# KiCad board demo_matrix2.kicad_pcb (continued)
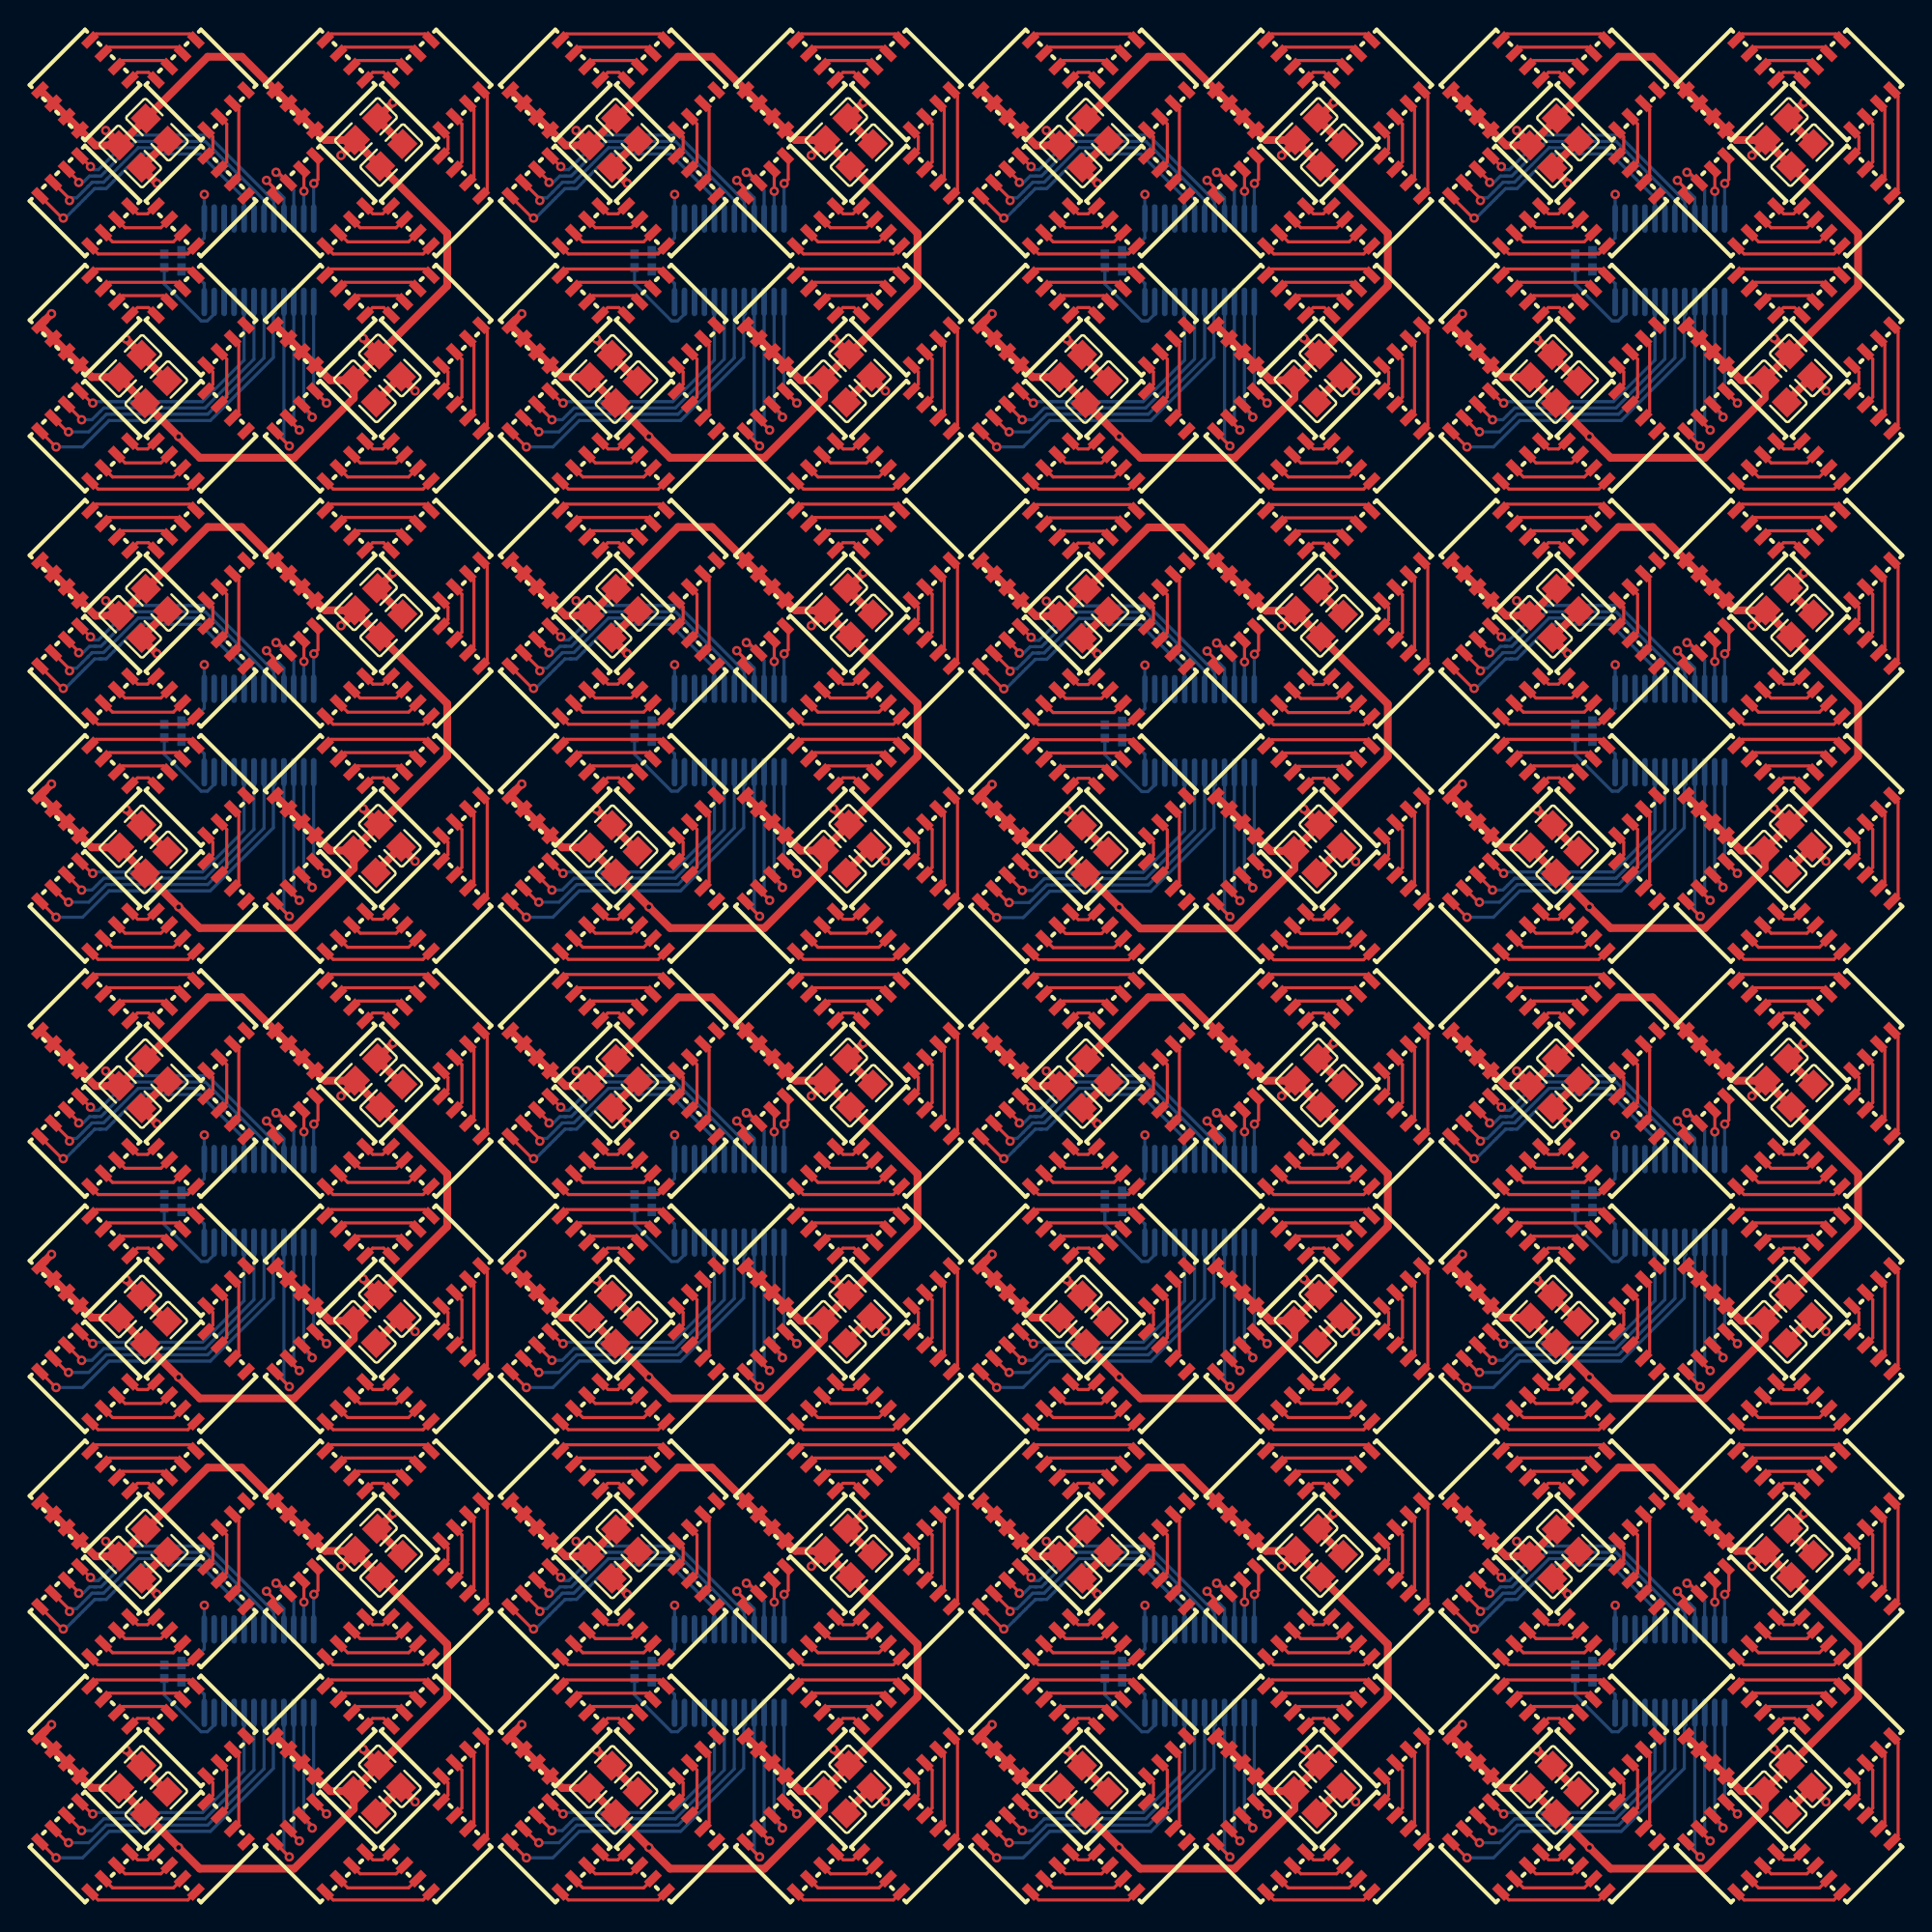
[diagram p0: board, top side]
## Library data of the parts (continued)
U17 = -: checksum: abbb50a3236ad87f16b2eecc7cef22eaaafbaa4cd6fa429ffccee13826e3e06a; __atopile_lib_fp_hash__: 0e3c0a5e-8fd8-28f9-ced6-aad2b12f2041; atopile_address: clusters[3].rows[0].pixels[0].generic_pixel; atopile_subaddresses: [elec/layout/cluster2x2/cluster2x2.kicad_pcb:rows[0].pixels[0].generic_pixel, elec/layout/pixel15hl5050/pixel15hl5050.kicad_pcb:generic_pixel, elec/layout/row2/row2.kicad_pcb:pixels[0].generic_pixel]
U18 = -: checksum: abbb50a3236ad87f16b2eecc7cef22eaaafbaa4cd6fa429ffccee13826e3e06a; __atopile_lib_fp_hash__: 0e3c0a5e-8fd8-28f9-ced6-aad2b12f2041; atopile_address: clusters[3].rows[0].pixels[1].generic_pixel; atopile_subaddresses: [elec/layout/cluster2x2/cluster2x2.kicad_pcb:rows[0].pixels[1].generic_pixel, elec/layout/pixel15hl5050/pixel15hl5050.kicad_pcb:generic_pixel, elec/layout/row2/row2.kicad_pcb:pixels[1].generic_pixel]
U19 = -: checksum: abbb50a3236ad87f16b2eecc7cef22eaaafbaa4cd6fa429ffccee13826e3e06a; __atopile_lib_fp_hash__: 0e3c0a5e-8fd8-28f9-ced6-aad2b12f2041; atopile_address: clusters[3].rows[1].pixels[0].generic_pixel; atopile_subaddresses: [elec/layout/cluster2x2/cluster2x2.kicad_pcb:rows[1].pixels[0].generic_pixel, elec/layout/pixel15hl5050/pixel15hl5050.kicad_pcb:generic_pixel, elec/layout/row2/row2.kicad_pcb:pixels[0].generic_pixel]
U20 = -: checksum: abbb50a3236ad87f16b2eecc7cef22eaaafbaa4cd6fa429ffccee13826e3e06a; __atopile_lib_fp_hash__: 0e3c0a5e-8fd8-28f9-ced6-aad2b12f2041; atopile_address: clusters[3].rows[1].pixels[1].generic_pixel; atopile_subaddresses: [elec/layout/cluster2x2/cluster2x2.kicad_pcb:rows[1].pixels[1].generic_pixel, elec/layout/pixel15hl5050/pixel15hl5050.kicad_pcb:generic_pixel, elec/layout/row2/row2.kicad_pcb:pixels[1].generic_pixel]
U21 = -: Datasheet: https://lcsc.com/datasheet/lcsc_datasheet_1811151431_MBI-MBI5043GP-A_C110098.pdf; checksum: 5792f8483db8260f8c71da5608b862a12d506544ca95340a0a29b8e31339a3e3; __atopile_lib_fp_hash__: 9d096105-9cd5-0eb0-49a9-8c108e51ce37; LCSC: C110098; Manufacturer: MBI; Partnumber: MBI5043GP-A; atopile_address: clusters[4].driver.package; atopile_subaddresses: [elec/layout/cluster2x2/cluster2x2.kicad_pcb:driver.package, elec/src/macroblock-mbi5043/layouts/default/default.kicad_pcb:package]
U22 = -: checksum: abbb50a3236ad87f16b2eecc7cef22eaaafbaa4cd6fa429ffccee13826e3e06a; __atopile_lib_fp_hash__: 0e3c0a5e-8fd8-28f9-ced6-aad2b12f2041; atopile_address: clusters[4].rows[0].pixels[0].generic_pixel; atopile_subaddresses: [elec/layout/cluster2x2/cluster2x2.kicad_pcb:rows[0].pixels[0].generic_pixel, elec/layout/pixel15hl5050/pixel15hl5050.kicad_pcb:generic_pixel, elec/layout/row2/row2.kicad_pcb:pixels[0].generic_pixel]
U23 = -: checksum: abbb50a3236ad87f16b2eecc7cef22eaaafbaa4cd6fa429ffccee13826e3e06a; __atopile_lib_fp_hash__: 0e3c0a5e-8fd8-28f9-ced6-aad2b12f2041; atopile_address: clusters[4].rows[0].pixels[1].generic_pixel; atopile_subaddresses: [elec/layout/cluster2x2/cluster2x2.kicad_pcb:rows[0].pixels[1].generic_pixel, elec/layout/pixel15hl5050/pixel15hl5050.kicad_pcb:generic_pixel, elec/layout/row2/row2.kicad_pcb:pixels[1].generic_pixel]
U24 = -: checksum: abbb50a3236ad87f16b2eecc7cef22eaaafbaa4cd6fa429ffccee13826e3e06a; __atopile_lib_fp_hash__: 0e3c0a5e-8fd8-28f9-ced6-aad2b12f2041; atopile_address: clusters[4].rows[1].pixels[0].generic_pixel; atopile_subaddresses: [elec/layout/cluster2x2/cluster2x2.kicad_pcb:rows[1].pixels[0].generic_pixel, elec/layout/pixel15hl5050/pixel15hl5050.kicad_pcb:generic_pixel, elec/layout/row2/row2.kicad_pcb:pixels[0].generic_pixel]
U25 = -: checksum: abbb50a3236ad87f16b2eecc7cef22eaaafbaa4cd6fa429ffccee13826e3e06a; __atopile_lib_fp_hash__: 0e3c0a5e-8fd8-28f9-ced6-aad2b12f2041; atopile_address: clusters[4].rows[1].pixels[1].generic_pixel; atopile_subaddresses: [elec/layout/cluster2x2/cluster2x2.kicad_pcb:rows[1].pixels[1].generic_pixel, elec/layout/pixel15hl5050/pixel15hl5050.kicad_pcb:generic_pixel, elec/layout/row2/row2.kicad_pcb:pixels[1].generic_pixel]
U26 = -: Datasheet: https://lcsc.com/datasheet/lcsc_datasheet_1811151431_MBI-MBI5043GP-A_C110098.pdf; checksum: 5792f8483db8260f8c71da5608b862a12d506544ca95340a0a29b8e31339a3e3; __atopile_lib_fp_hash__: 9d096105-9cd5-0eb0-49a9-8c108e51ce37; LCSC: C110098; Manufacturer: MBI; Partnumber: MBI5043GP-A; atopile_address: clusters[5].driver.package; atopile_subaddresses: [elec/layout/cluster2x2/cluster2x2.kicad_pcb:driver.package, elec/src/macroblock-mbi5043/layouts/default/default.kicad_pcb:package]
U27 = -: checksum: abbb50a3236ad87f16b2eecc7cef22eaaafbaa4cd6fa429ffccee13826e3e06a; __atopile_lib_fp_hash__: 0e3c0a5e-8fd8-28f9-ced6-aad2b12f2041; atopile_address: clusters[5].rows[0].pixels[0].generic_pixel; atopile_subaddresses: [elec/layout/cluster2x2/cluster2x2.kicad_pcb:rows[0].pixels[0].generic_pixel, elec/layout/pixel15hl5050/pixel15hl5050.kicad_pcb:generic_pixel, elec/layout/row2/row2.kicad_pcb:pixels[0].generic_pixel]
U28 = -: checksum: abbb50a3236ad87f16b2eecc7cef22eaaafbaa4cd6fa429ffccee13826e3e06a; __atopile_lib_fp_hash__: 0e3c0a5e-8fd8-28f9-ced6-aad2b12f2041; atopile_address: clusters[5].rows[0].pixels[1].generic_pixel; atopile_subaddresses: [elec/layout/cluster2x2/cluster2x2.kicad_pcb:rows[0].pixels[1].generic_pixel, elec/layout/pixel15hl5050/pixel15hl5050.kicad_pcb:generic_pixel, elec/layout/row2/row2.kicad_pcb:pixels[1].generic_pixel]
U29 = -: checksum: abbb50a3236ad87f16b2eecc7cef22eaaafbaa4cd6fa429ffccee13826e3e06a; __atopile_lib_fp_hash__: 0e3c0a5e-8fd8-28f9-ced6-aad2b12f2041; atopile_address: clusters[5].rows[1].pixels[0].generic_pixel; atopile_subaddresses: [elec/layout/cluster2x2/cluster2x2.kicad_pcb:rows[1].pixels[0].generic_pixel, elec/layout/pixel15hl5050/pixel15hl5050.kicad_pcb:generic_pixel, elec/layout/row2/row2.kicad_pcb:pixels[0].generic_pixel]
U30 = -: checksum: abbb50a3236ad87f16b2eecc7cef22eaaafbaa4cd6fa429ffccee13826e3e06a; __atopile_lib_fp_hash__: 0e3c0a5e-8fd8-28f9-ced6-aad2b12f2041; atopile_address: clusters[5].rows[1].pixels[1].generic_pixel; atopile_subaddresses: [elec/layout/cluster2x2/cluster2x2.kicad_pcb:rows[1].pixels[1].generic_pixel, elec/layout/pixel15hl5050/pixel15hl5050.kicad_pcb:generic_pixel, elec/layout/row2/row2.kicad_pcb:pixels[1].generic_pixel]
U31 = -: Datasheet: https://lcsc.com/datasheet/lcsc_datasheet_1811151431_MBI-MBI5043GP-A_C110098.pdf; checksum: 5792f8483db8260f8c71da5608b862a12d506544ca95340a0a29b8e31339a3e3; __atopile_lib_fp_hash__: 9d096105-9cd5-0eb0-49a9-8c108e51ce37; LCSC: C110098; Manufacturer: MBI; Partnumber: MBI5043GP-A; atopile_address: clusters[6].driver.package; atopile_subaddresses: [elec/layout/cluster2x2/cluster2x2.kicad_pcb:driver.package, elec/src/macroblock-mbi5043/layouts/default/default.kicad_pcb:package]
U32 = -: checksum: abbb50a3236ad87f16b2eecc7cef22eaaafbaa4cd6fa429ffccee13826e3e06a; __atopile_lib_fp_hash__: 0e3c0a5e-8fd8-28f9-ced6-aad2b12f2041; atopile_address: clusters[6].rows[0].pixels[0].generic_pixel; atopile_subaddresses: [elec/layout/cluster2x2/cluster2x2.kicad_pcb:rows[0].pixels[0].generic_pixel, elec/layout/pixel15hl5050/pixel15hl5050.kicad_pcb:generic_pixel, elec/layout/row2/row2.kicad_pcb:pixels[0].generic_pixel]
U33 = -: checksum: abbb50a3236ad87f16b2eecc7cef22eaaafbaa4cd6fa429ffccee13826e3e06a; __atopile_lib_fp_hash__: 0e3c0a5e-8fd8-28f9-ced6-aad2b12f2041; atopile_address: clusters[6].rows[0].pixels[1].generic_pixel; atopile_subaddresses: [elec/layout/cluster2x2/cluster2x2.kicad_pcb:rows[0].pixels[1].generic_pixel, elec/layout/pixel15hl5050/pixel15hl5050.kicad_pcb:generic_pixel, elec/layout/row2/row2.kicad_pcb:pixels[1].generic_pixel]
U34 = -: checksum: abbb50a3236ad87f16b2eecc7cef22eaaafbaa4cd6fa429ffccee13826e3e06a; __atopile_lib_fp_hash__: 0e3c0a5e-8fd8-28f9-ced6-aad2b12f2041; atopile_address: clusters[6].rows[1].pixels[0].generic_pixel; atopile_subaddresses: [elec/layout/cluster2x2/cluster2x2.kicad_pcb:rows[1].pixels[0].generic_pixel, elec/layout/pixel15hl5050/pixel15hl5050.kicad_pcb:generic_pixel, elec/layout/row2/row2.kicad_pcb:pixels[0].generic_pixel]
U35 = -: checksum: abbb50a3236ad87f16b2eecc7cef22eaaafbaa4cd6fa429ffccee13826e3e06a; __atopile_lib_fp_hash__: 0e3c0a5e-8fd8-28f9-ced6-aad2b12f2041; atopile_address: clusters[6].rows[1].pixels[1].generic_pixel; atopile_subaddresses: [elec/layout/cluster2x2/cluster2x2.kicad_pcb:rows[1].pixels[1].generic_pixel, elec/layout/pixel15hl5050/pixel15hl5050.kicad_pcb:generic_pixel, elec/layout/row2/row2.kicad_pcb:pixels[1].generic_pixel]
U36 = -: Datasheet: https://lcsc.com/datasheet/lcsc_datasheet_1811151431_MBI-MBI5043GP-A_C110098.pdf; checksum: 5792f8483db8260f8c71da5608b862a12d506544ca95340a0a29b8e31339a3e3; __atopile_lib_fp_hash__: 9d096105-9cd5-0eb0-49a9-8c108e51ce37; LCSC: C110098; Manufacturer: MBI; Partnumber: MBI5043GP-A; atopile_address: clusters[7].driver.package; atopile_subaddresses: [elec/layout/cluster2x2/cluster2x2.kicad_pcb:driver.package, elec/src/macroblock-mbi5043/layouts/default/default.kicad_pcb:package]
U37 = -: checksum: abbb50a3236ad87f16b2eecc7cef22eaaafbaa4cd6fa429ffccee13826e3e06a; __atopile_lib_fp_hash__: 0e3c0a5e-8fd8-28f9-ced6-aad2b12f2041; atopile_address: clusters[7].rows[0].pixels[0].generic_pixel; atopile_subaddresses: [elec/layout/cluster2x2/cluster2x2.kicad_pcb:rows[0].pixels[0].generic_pixel, elec/layout/pixel15hl5050/pixel15hl5050.kicad_pcb:generic_pixel, elec/layout/row2/row2.kicad_pcb:pixels[0].generic_pixel]
U38 = -: checksum: abbb50a3236ad87f16b2eecc7cef22eaaafbaa4cd6fa429ffccee13826e3e06a; __atopile_lib_fp_hash__: 0e3c0a5e-8fd8-28f9-ced6-aad2b12f2041; atopile_address: clusters[7].rows[0].pixels[1].generic_pixel; atopile_subaddresses: [elec/layout/cluster2x2/cluster2x2.kicad_pcb:rows[0].pixels[1].generic_pixel, elec/layout/pixel15hl5050/pixel15hl5050.kicad_pcb:generic_pixel, elec/layout/row2/row2.kicad_pcb:pixels[1].generic_pixel]
U39 = -: checksum: abbb50a3236ad87f16b2eecc7cef22eaaafbaa4cd6fa429ffccee13826e3e06a; __atopile_lib_fp_hash__: 0e3c0a5e-8fd8-28f9-ced6-aad2b12f2041; atopile_address: clusters[7].rows[1].pixels[0].generic_pixel; atopile_subaddresses: [elec/layout/cluster2x2/cluster2x2.kicad_pcb:rows[1].pixels[0].generic_pixel, elec/layout/pixel15hl5050/pixel15hl5050.kicad_pcb:generic_pixel, elec/layout/row2/row2.kicad_pcb:pixels[0].generic_pixel]
U40 = -: checksum: abbb50a3236ad87f16b2eecc7cef22eaaafbaa4cd6fa429ffccee13826e3e06a; __atopile_lib_fp_hash__: 0e3c0a5e-8fd8-28f9-ced6-aad2b12f2041; atopile_address: clusters[7].rows[1].pixels[1].generic_pixel; atopile_subaddresses: [elec/layout/cluster2x2/cluster2x2.kicad_pcb:rows[1].pixels[1].generic_pixel, elec/layout/pixel15hl5050/pixel15hl5050.kicad_pcb:generic_pixel, elec/layout/row2/row2.kicad_pcb:pixels[1].generic_pixel]
U41 = -: Datasheet: https://lcsc.com/datasheet/lcsc_datasheet_1811151431_MBI-MBI5043GP-A_C110098.pdf; checksum: 5792f8483db8260f8c71da5608b862a12d506544ca95340a0a29b8e31339a3e3; __atopile_lib_fp_hash__: 9d096105-9cd5-0eb0-49a9-8c108e51ce37; LCSC: C110098; Manufacturer: MBI; Partnumber: MBI5043GP-A; atopile_address: clusters[8].driver.package; atopile_subaddresses: [elec/layout/cluster2x2/cluster2x2.kicad_pcb:driver.package, elec/src/macroblock-mbi5043/layouts/default/default.kicad_pcb:package]
U42 = -: checksum: abbb50a3236ad87f16b2eecc7cef22eaaafbaa4cd6fa429ffccee13826e3e06a; __atopile_lib_fp_hash__: 0e3c0a5e-8fd8-28f9-ced6-aad2b12f2041; atopile_address: clusters[8].rows[0].pixels[0].generic_pixel; atopile_subaddresses: [elec/layout/cluster2x2/cluster2x2.kicad_pcb:rows[0].pixels[0].generic_pixel, elec/layout/pixel15hl5050/pixel15hl5050.kicad_pcb:generic_pixel, elec/layout/row2/row2.kicad_pcb:pixels[0].generic_pixel]
U43 = -: checksum: abbb50a3236ad87f16b2eecc7cef22eaaafbaa4cd6fa429ffccee13826e3e06a; __atopile_lib_fp_hash__: 0e3c0a5e-8fd8-28f9-ced6-aad2b12f2041; atopile_address: clusters[8].rows[0].pixels[1].generic_pixel; atopile_subaddresses: [elec/layout/cluster2x2/cluster2x2.kicad_pcb:rows[0].pixels[1].generic_pixel, elec/layout/pixel15hl5050/pixel15hl5050.kicad_pcb:generic_pixel, elec/layout/row2/row2.kicad_pcb:pixels[1].generic_pixel]
U44 = -: checksum: abbb50a3236ad87f16b2eecc7cef22eaaafbaa4cd6fa429ffccee13826e3e06a; __atopile_lib_fp_hash__: 0e3c0a5e-8fd8-28f9-ced6-aad2b12f2041; atopile_address: clusters[8].rows[1].pixels[0].generic_pixel; atopile_subaddresses: [elec/layout/cluster2x2/cluster2x2.kicad_pcb:rows[1].pixels[0].generic_pixel, elec/layout/pixel15hl5050/pixel15hl5050.kicad_pcb:generic_pixel, elec/layout/row2/row2.kicad_pcb:pixels[0].generic_pixel]
U45 = -: checksum: abbb50a3236ad87f16b2eecc7cef22eaaafbaa4cd6fa429ffccee13826e3e06a; __atopile_lib_fp_hash__: 0e3c0a5e-8fd8-28f9-ced6-aad2b12f2041; atopile_address: clusters[8].rows[1].pixels[1].generic_pixel; atopile_subaddresses: [elec/layout/cluster2x2/cluster2x2.kicad_pcb:rows[1].pixels[1].generic_pixel, elec/layout/pixel15hl5050/pixel15hl5050.kicad_pcb:generic_pixel, elec/layout/row2/row2.kicad_pcb:pixels[1].generic_pixel]
U46 = -: Datasheet: https://lcsc.com/datasheet/lcsc_datasheet_1811151431_MBI-MBI5043GP-A_C110098.pdf; checksum: 5792f8483db8260f8c71da5608b862a12d506544ca95340a0a29b8e31339a3e3; __atopile_lib_fp_hash__: 9d096105-9cd5-0eb0-49a9-8c108e51ce37; LCSC: C110098; Manufacturer: MBI; Partnumber: MBI5043GP-A; atopile_address: clusters[9].driver.package; atopile_subaddresses: [elec/layout/cluster2x2/cluster2x2.kicad_pcb:driver.package, elec/src/macroblock-mbi5043/layouts/default/default.kicad_pcb:package]
U47 = -: checksum: abbb50a3236ad87f16b2eecc7cef22eaaafbaa4cd6fa429ffccee13826e3e06a; __atopile_lib_fp_hash__: 0e3c0a5e-8fd8-28f9-ced6-aad2b12f2041; atopile_address: clusters[9].rows[0].pixels[0].generic_pixel; atopile_subaddresses: [elec/layout/cluster2x2/cluster2x2.kicad_pcb:rows[0].pixels[0].generic_pixel, elec/layout/pixel15hl5050/pixel15hl5050.kicad_pcb:generic_pixel, elec/layout/row2/row2.kicad_pcb:pixels[0].generic_pixel]
U48 = -: checksum: abbb50a3236ad87f16b2eecc7cef22eaaafbaa4cd6fa429ffccee13826e3e06a; __atopile_lib_fp_hash__: 0e3c0a5e-8fd8-28f9-ced6-aad2b12f2041; atopile_address: clusters[9].rows[0].pixels[1].generic_pixel; atopile_subaddresses: [elec/layout/cluster2x2/cluster2x2.kicad_pcb:rows[0].pixels[1].generic_pixel, elec/layout/pixel15hl5050/pixel15hl5050.kicad_pcb:generic_pixel, elec/layout/row2/row2.kicad_pcb:pixels[1].generic_pixel]
U49 = -: checksum: abbb50a3236ad87f16b2eecc7cef22eaaafbaa4cd6fa429ffccee13826e3e06a; __atopile_lib_fp_hash__: 0e3c0a5e-8fd8-28f9-ced6-aad2b12f2041; atopile_address: clusters[9].rows[1].pixels[0].generic_pixel; atopile_subaddresses: [elec/layout/cluster2x2/cluster2x2.kicad_pcb:rows[1].pixels[0].generic_pixel, elec/layout/pixel15hl5050/pixel15hl5050.kicad_pcb:generic_pixel, elec/layout/row2/row2.kicad_pcb:pixels[0].generic_pixel]
U50 = -: checksum: abbb50a3236ad87f16b2eecc7cef22eaaafbaa4cd6fa429ffccee13826e3e06a; __atopile_lib_fp_hash__: 0e3c0a5e-8fd8-28f9-ced6-aad2b12f2041; atopile_address: clusters[9].rows[1].pixels[1].generic_pixel; atopile_subaddresses: [elec/layout/cluster2x2/cluster2x2.kicad_pcb:rows[1].pixels[1].generic_pixel, elec/layout/pixel15hl5050/pixel15hl5050.kicad_pcb:generic_pixel, elec/layout/row2/row2.kicad_pcb:pixels[1].generic_pixel]
U51 = -: Datasheet: https://lcsc.com/datasheet/lcsc_datasheet_1811151431_MBI-MBI5043GP-A_C110098.pdf; checksum: 5792f8483db8260f8c71da5608b862a12d506544ca95340a0a29b8e31339a3e3; __atopile_lib_fp_hash__: 9d096105-9cd5-0eb0-49a9-8c108e51ce37; LCSC: C110098; Manufacturer: MBI; Partnumber: MBI5043GP-A; atopile_address: clusters[10].driver.package; atopile_subaddresses: [elec/layout/cluster2x2/cluster2x2.kicad_pcb:driver.package, elec/src/macroblock-mbi5043/layouts/default/default.kicad_pcb:package]
U52 = -: checksum: abbb50a3236ad87f16b2eecc7cef22eaaafbaa4cd6fa429ffccee13826e3e06a; __atopile_lib_fp_hash__: 0e3c0a5e-8fd8-28f9-ced6-aad2b12f2041; atopile_address: clusters[10].rows[0].pixels[0].generic_pixel; atopile_subaddresses: [elec/layout/cluster2x2/cluster2x2.kicad_pcb:rows[0].pixels[0].generic_pixel, elec/layout/pixel15hl5050/pixel15hl5050.kicad_pcb:generic_pixel, elec/layout/row2/row2.kicad_pcb:pixels[0].generic_pixel]
U53 = -: checksum: abbb50a3236ad87f16b2eecc7cef22eaaafbaa4cd6fa429ffccee13826e3e06a; __atopile_lib_fp_hash__: 0e3c0a5e-8fd8-28f9-ced6-aad2b12f2041; atopile_address: clusters[10].rows[0].pixels[1].generic_pixel; atopile_subaddresses: [elec/layout/cluster2x2/cluster2x2.kicad_pcb:rows[0].pixels[1].generic_pixel, elec/layout/pixel15hl5050/pixel15hl5050.kicad_pcb:generic_pixel, elec/layout/row2/row2.kicad_pcb:pixels[1].generic_pixel]
U54 = -: checksum: abbb50a3236ad87f16b2eecc7cef22eaaafbaa4cd6fa429ffccee13826e3e06a; __atopile_lib_fp_hash__: 0e3c0a5e-8fd8-28f9-ced6-aad2b12f2041; atopile_address: clusters[10].rows[1].pixels[0].generic_pixel; atopile_subaddresses: [elec/layout/cluster2x2/cluster2x2.kicad_pcb:rows[1].pixels[0].generic_pixel, elec/layout/pixel15hl5050/pixel15hl5050.kicad_pcb:generic_pixel, elec/layout/row2/row2.kicad_pcb:pixels[0].generic_pixel]
U55 = -: checksum: abbb50a3236ad87f16b2eecc7cef22eaaafbaa4cd6fa429ffccee13826e3e06a; __atopile_lib_fp_hash__: 0e3c0a5e-8fd8-28f9-ced6-aad2b12f2041; atopile_address: clusters[10].rows[1].pixels[1].generic_pixel; atopile_subaddresses: [elec/layout/cluster2x2/cluster2x2.kicad_pcb:rows[1].pixels[1].generic_pixel, elec/layout/pixel15hl5050/pixel15hl5050.kicad_pcb:generic_pixel, elec/layout/row2/row2.kicad_pcb:pixels[1].generic_pixel]
U56 = -: Datasheet: https://lcsc.com/datasheet/lcsc_datasheet_1811151431_MBI-MBI5043GP-A_C110098.pdf; checksum: 5792f8483db8260f8c71da5608b862a12d506544ca95340a0a29b8e31339a3e3; __atopile_lib_fp_hash__: 9d096105-9cd5-0eb0-49a9-8c108e51ce37; LCSC: C110098; Manufacturer: MBI; Partnumber: MBI5043GP-A; atopile_address: clusters[11].driver.package; atopile_subaddresses: [elec/layout/cluster2x2/cluster2x2.kicad_pcb:driver.package, elec/src/macroblock-mbi5043/layouts/default/default.kicad_pcb:package]
U57 = -: checksum: abbb50a3236ad87f16b2eecc7cef22eaaafbaa4cd6fa429ffccee13826e3e06a; __atopile_lib_fp_hash__: 0e3c0a5e-8fd8-28f9-ced6-aad2b12f2041; atopile_address: clusters[11].rows[0].pixels[0].generic_pixel; atopile_subaddresses: [elec/layout/cluster2x2/cluster2x2.kicad_pcb:rows[0].pixels[0].generic_pixel, elec/layout/pixel15hl5050/pixel15hl5050.kicad_pcb:generic_pixel, elec/layout/row2/row2.kicad_pcb:pixels[0].generic_pixel]
U58 = -: checksum: abbb50a3236ad87f16b2eecc7cef22eaaafbaa4cd6fa429ffccee13826e3e06a; __atopile_lib_fp_hash__: 0e3c0a5e-8fd8-28f9-ced6-aad2b12f2041; atopile_address: clusters[11].rows[0].pixels[1].generic_pixel; atopile_subaddresses: [elec/layout/cluster2x2/cluster2x2.kicad_pcb:rows[0].pixels[1].generic_pixel, elec/layout/pixel15hl5050/pixel15hl5050.kicad_pcb:generic_pixel, elec/layout/row2/row2.kicad_pcb:pixels[1].generic_pixel]
U59 = -: checksum: abbb50a3236ad87f16b2eecc7cef22eaaafbaa4cd6fa429ffccee13826e3e06a; __atopile_lib_fp_hash__: 0e3c0a5e-8fd8-28f9-ced6-aad2b12f2041; atopile_address: clusters[11].rows[1].pixels[0].generic_pixel; atopile_subaddresses: [elec/layout/cluster2x2/cluster2x2.kicad_pcb:rows[1].pixels[0].generic_pixel, elec/layout/pixel15hl5050/pixel15hl5050.kicad_pcb:generic_pixel, elec/layout/row2/row2.kicad_pcb:pixels[0].generic_pixel]
U60 = -: checksum: abbb50a3236ad87f16b2eecc7cef22eaaafbaa4cd6fa429ffccee13826e3e06a; __atopile_lib_fp_hash__: 0e3c0a5e-8fd8-28f9-ced6-aad2b12f2041; atopile_address: clusters[11].rows[1].pixels[1].generic_pixel; atopile_subaddresses: [elec/layout/cluster2x2/cluster2x2.kicad_pcb:rows[1].pixels[1].generic_pixel, elec/layout/pixel15hl5050/pixel15hl5050.kicad_pcb:generic_pixel, elec/layout/row2/row2.kicad_pcb:pixels[1].generic_pixel]
U61 = -: Datasheet: https://lcsc.com/datasheet/lcsc_datasheet_1811151431_MBI-MBI5043GP-A_C110098.pdf; checksum: 5792f8483db8260f8c71da5608b862a12d506544ca95340a0a29b8e31339a3e3; __atopile_lib_fp_hash__: 9d096105-9cd5-0eb0-49a9-8c108e51ce37; LCSC: C110098; Manufacturer: MBI; Partnumber: MBI5043GP-A; atopile_address: clusters[12].driver.package; atopile_subaddresses: [elec/layout/cluster2x2/cluster2x2.kicad_pcb:driver.package, elec/src/macroblock-mbi5043/layouts/default/default.kicad_pcb:package]
U62 = -: checksum: abbb50a3236ad87f16b2eecc7cef22eaaafbaa4cd6fa429ffccee13826e3e06a; __atopile_lib_fp_hash__: 0e3c0a5e-8fd8-28f9-ced6-aad2b12f2041; atopile_address: clusters[12].rows[0].pixels[0].generic_pixel; atopile_subaddresses: [elec/layout/cluster2x2/cluster2x2.kicad_pcb:rows[0].pixels[0].generic_pixel, elec/layout/pixel15hl5050/pixel15hl5050.kicad_pcb:generic_pixel, elec/layout/row2/row2.kicad_pcb:pixels[0].generic_pixel]
U63 = -: checksum: abbb50a3236ad87f16b2eecc7cef22eaaafbaa4cd6fa429ffccee13826e3e06a; __atopile_lib_fp_hash__: 0e3c0a5e-8fd8-28f9-ced6-aad2b12f2041; atopile_address: clusters[12].rows[0].pixels[1].generic_pixel; atopile_subaddresses: [elec/layout/cluster2x2/cluster2x2.kicad_pcb:rows[0].pixels[1].generic_pixel, elec/layout/pixel15hl5050/pixel15hl5050.kicad_pcb:generic_pixel, elec/layout/row2/row2.kicad_pcb:pixels[1].generic_pixel]
U64 = -: checksum: abbb50a3236ad87f16b2eecc7cef22eaaafbaa4cd6fa429ffccee13826e3e06a; __atopile_lib_fp_hash__: 0e3c0a5e-8fd8-28f9-ced6-aad2b12f2041; atopile_address: clusters[12].rows[1].pixels[0].generic_pixel; atopile_subaddresses: [elec/layout/cluster2x2/cluster2x2.kicad_pcb:rows[1].pixels[0].generic_pixel, elec/layout/pixel15hl5050/pixel15hl5050.kicad_pcb:generic_pixel, elec/layout/row2/row2.kicad_pcb:pixels[0].generic_pixel]
U65 = -: checksum: abbb50a3236ad87f16b2eecc7cef22eaaafbaa4cd6fa429ffccee13826e3e06a; __atopile_lib_fp_hash__: 0e3c0a5e-8fd8-28f9-ced6-aad2b12f2041; atopile_address: clusters[12].rows[1].pixels[1].generic_pixel; atopile_subaddresses: [elec/layout/cluster2x2/cluster2x2.kicad_pcb:rows[1].pixels[1].generic_pixel, elec/layout/pixel15hl5050/pixel15hl5050.kicad_pcb:generic_pixel, elec/layout/row2/row2.kicad_pcb:pixels[1].generic_pixel]
U66 = -: Datasheet: https://lcsc.com/datasheet/lcsc_datasheet_1811151431_MBI-MBI5043GP-A_C110098.pdf; checksum: 5792f8483db8260f8c71da5608b862a12d506544ca95340a0a29b8e31339a3e3; __atopile_lib_fp_hash__: 9d096105-9cd5-0eb0-49a9-8c108e51ce37; LCSC: C110098; Manufacturer: MBI; Partnumber: MBI5043GP-A; atopile_address: clusters[13].driver.package; atopile_subaddresses: [elec/layout/cluster2x2/cluster2x2.kicad_pcb:driver.package, elec/src/macroblock-mbi5043/layouts/default/default.kicad_pcb:package]
U67 = -: checksum: abbb50a3236ad87f16b2eecc7cef22eaaafbaa4cd6fa429ffccee13826e3e06a; __atopile_lib_fp_hash__: 0e3c0a5e-8fd8-28f9-ced6-aad2b12f2041; atopile_address: clusters[13].rows[0].pixels[0].generic_pixel; atopile_subaddresses: [elec/layout/cluster2x2/cluster2x2.kicad_pcb:rows[0].pixels[0].generic_pixel, elec/layout/pixel15hl5050/pixel15hl5050.kicad_pcb:generic_pixel, elec/layout/row2/row2.kicad_pcb:pixels[0].generic_pixel]
U68 = -: checksum: abbb50a3236ad87f16b2eecc7cef22eaaafbaa4cd6fa429ffccee13826e3e06a; __atopile_lib_fp_hash__: 0e3c0a5e-8fd8-28f9-ced6-aad2b12f2041; atopile_address: clusters[13].rows[0].pixels[1].generic_pixel; atopile_subaddresses: [elec/layout/cluster2x2/cluster2x2.kicad_pcb:rows[0].pixels[1].generic_pixel, elec/layout/pixel15hl5050/pixel15hl5050.kicad_pcb:generic_pixel, elec/layout/row2/row2.kicad_pcb:pixels[1].generic_pixel]
U69 = -: checksum: abbb50a3236ad87f16b2eecc7cef22eaaafbaa4cd6fa429ffccee13826e3e06a; __atopile_lib_fp_hash__: 0e3c0a5e-8fd8-28f9-ced6-aad2b12f2041; atopile_address: clusters[13].rows[1].pixels[0].generic_pixel; atopile_subaddresses: [elec/layout/cluster2x2/cluster2x2.kicad_pcb:rows[1].pixels[0].generic_pixel, elec/layout/pixel15hl5050/pixel15hl5050.kicad_pcb:generic_pixel, elec/layout/row2/row2.kicad_pcb:pixels[0].generic_pixel]
U70 = -: checksum: abbb50a3236ad87f16b2eecc7cef22eaaafbaa4cd6fa429ffccee13826e3e06a; __atopile_lib_fp_hash__: 0e3c0a5e-8fd8-28f9-ced6-aad2b12f2041; atopile_address: clusters[13].rows[1].pixels[1].generic_pixel; atopile_subaddresses: [elec/layout/cluster2x2/cluster2x2.kicad_pcb:rows[1].pixels[1].generic_pixel, elec/layout/pixel15hl5050/pixel15hl5050.kicad_pcb:generic_pixel, elec/layout/row2/row2.kicad_pcb:pixels[1].generic_pixel]
U71 = -: Datasheet: https://lcsc.com/datasheet/lcsc_datasheet_1811151431_MBI-MBI5043GP-A_C110098.pdf; checksum: 5792f8483db8260f8c71da5608b862a12d506544ca95340a0a29b8e31339a3e3; __atopile_lib_fp_hash__: 9d096105-9cd5-0eb0-49a9-8c108e51ce37; LCSC: C110098; Manufacturer: MBI; Partnumber: MBI5043GP-A; atopile_address: clusters[14].driver.package; atopile_subaddresses: [elec/layout/cluster2x2/cluster2x2.kicad_pcb:driver.package, elec/src/macroblock-mbi5043/layouts/default/default.kicad_pcb:package]
U72 = -: checksum: abbb50a3236ad87f16b2eecc7cef22eaaafbaa4cd6fa429ffccee13826e3e06a; __atopile_lib_fp_hash__: 0e3c0a5e-8fd8-28f9-ced6-aad2b12f2041; atopile_address: clusters[14].rows[0].pixels[0].generic_pixel; atopile_subaddresses: [elec/layout/cluster2x2/cluster2x2.kicad_pcb:rows[0].pixels[0].generic_pixel, elec/layout/pixel15hl5050/pixel15hl5050.kicad_pcb:generic_pixel, elec/layout/row2/row2.kicad_pcb:pixels[0].generic_pixel]
